# Altium PCB PROC054D_MMWCAS_RF_EVM.PcbDoc (part 2 of 14)
Units mil, origin at the board's own origin, x right, y up, seen from the top; angles counter-clockwise.
Board outline 6299.21 x 5370.07 mil, 8 copper layers (L1 TOP, L2 GND, L3 SIGNAL 1, L4 GND, L5 SIGNAL 2, L6 SIGNAL 3, L7 GND, L8 BOTTOM), stack 53.5 mil thick; 775 components, 552 nets, 2648 pads, 7845 vias.
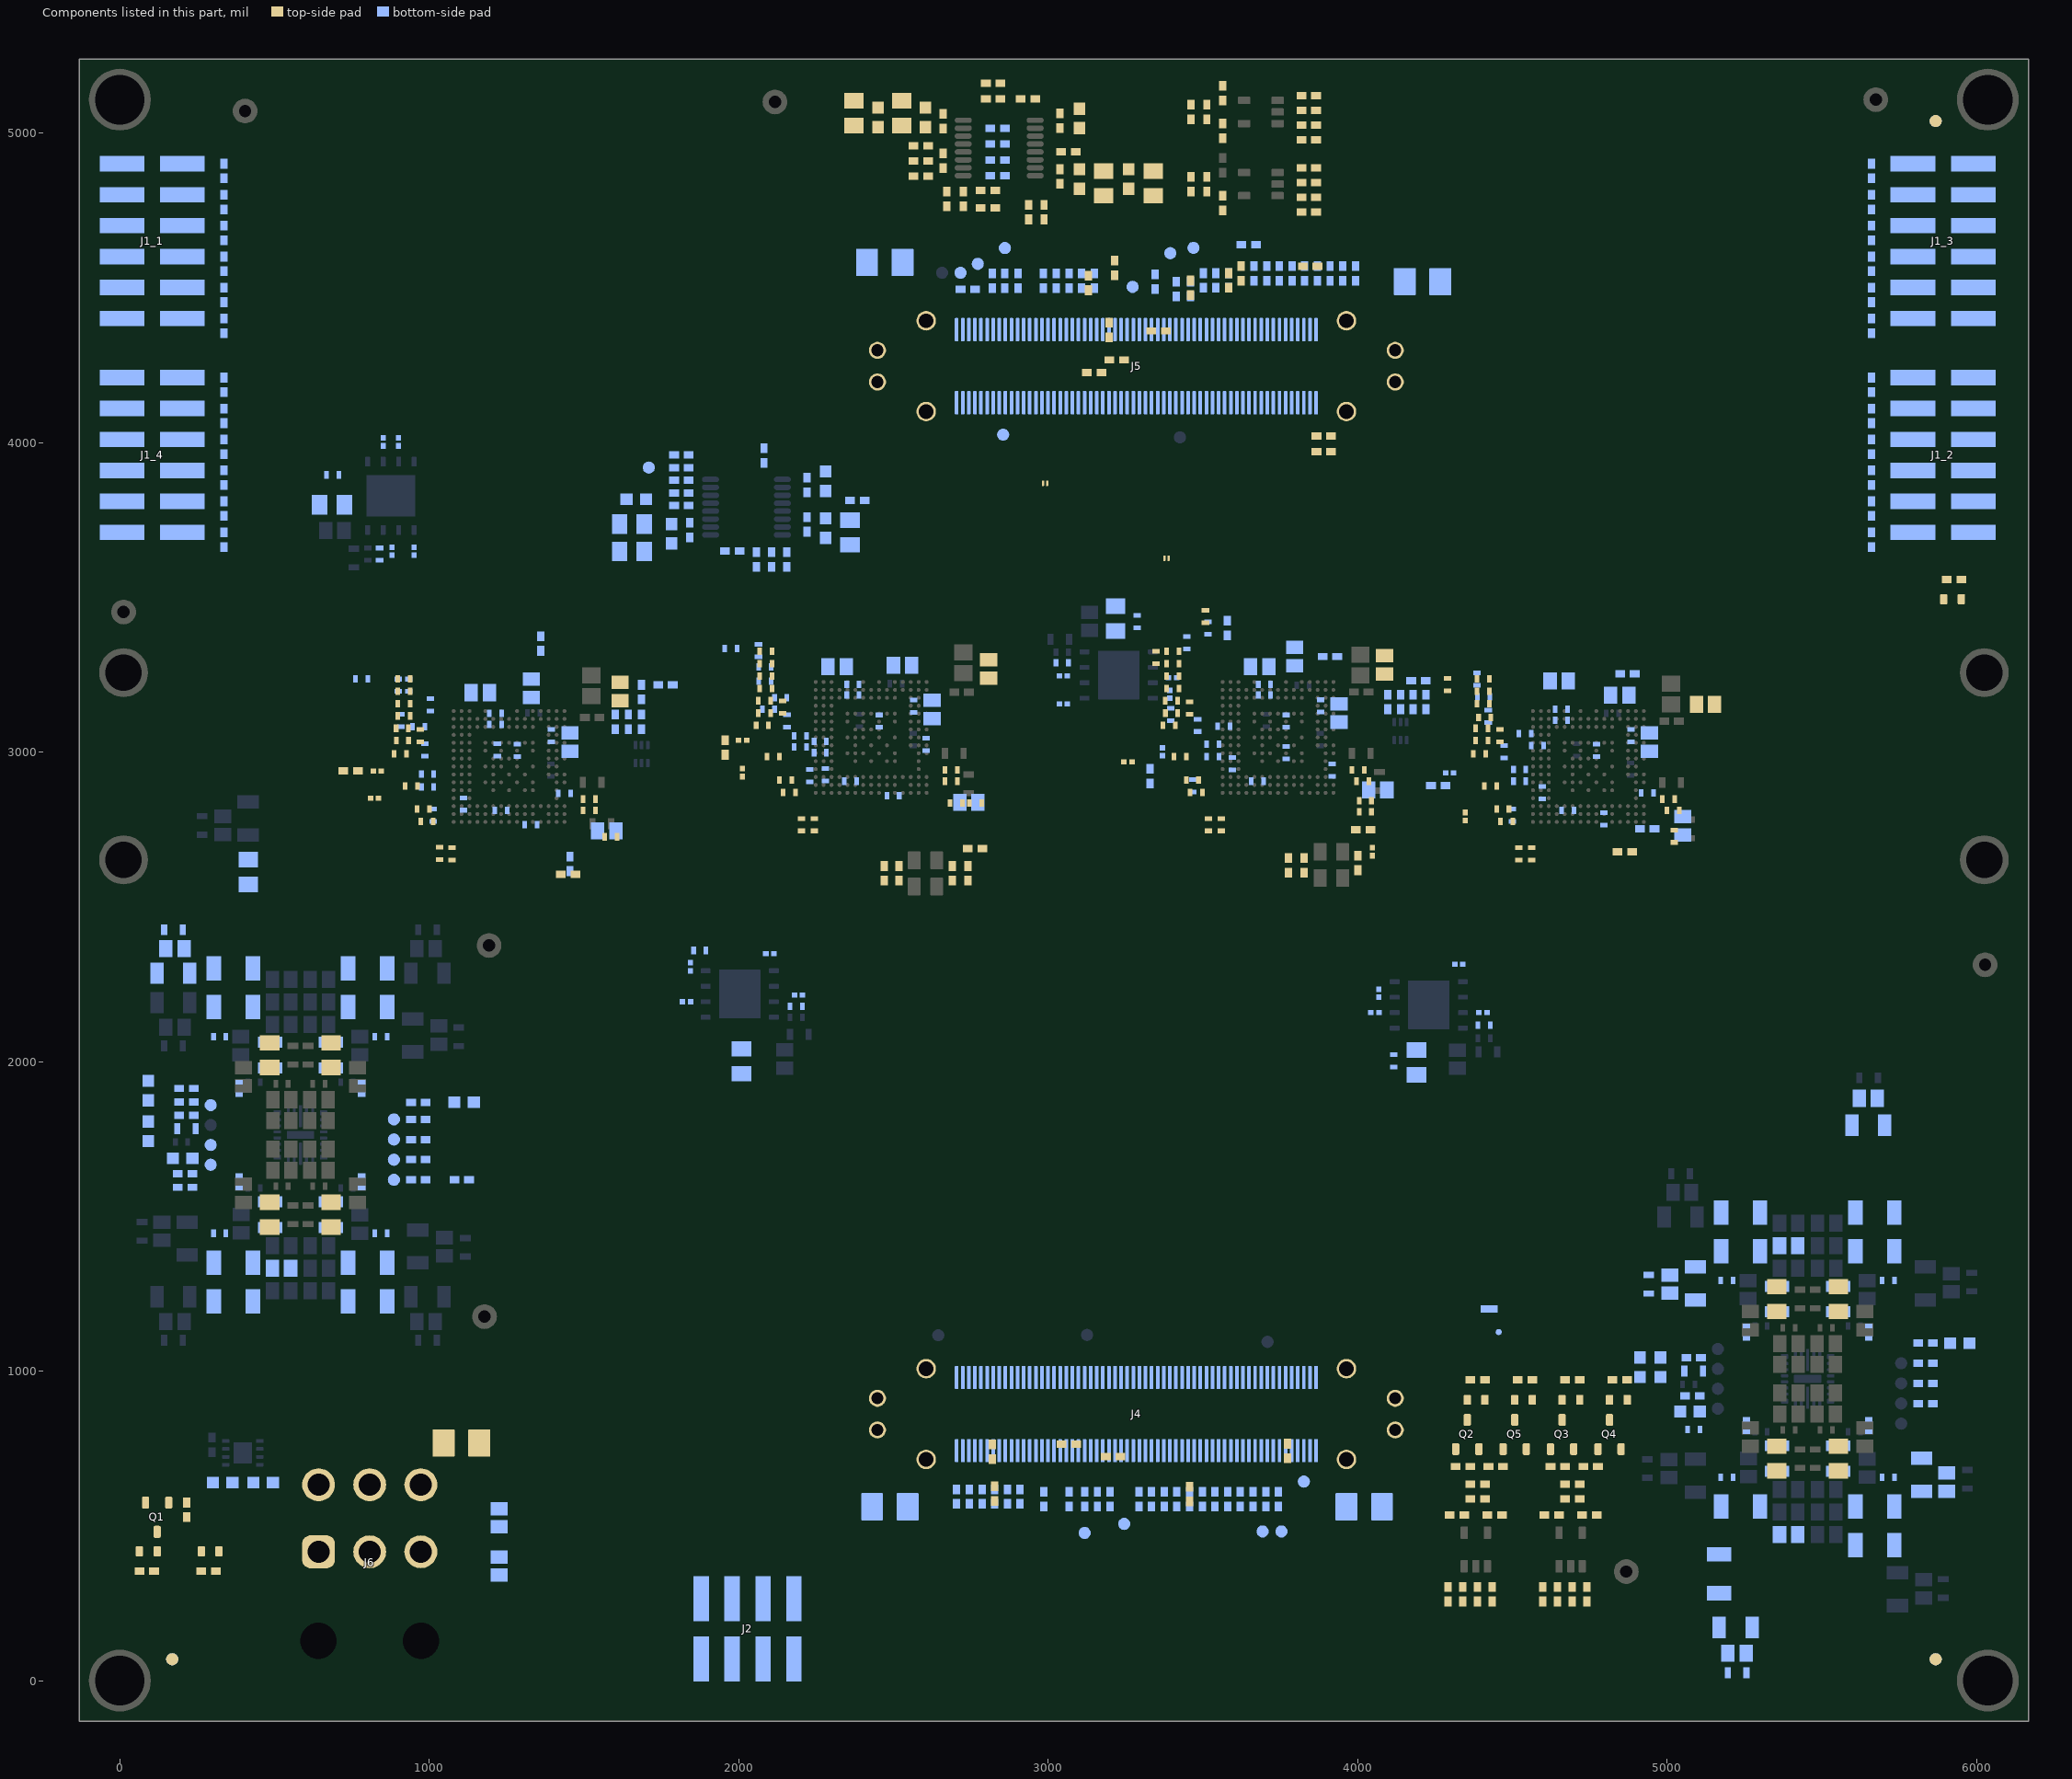
[diagram p8: the components of this part, seen from the top]

## Components (designator, comment, footprint, x,y, rotation, side; value= is the part's Value field where it differs from the comment) (continued)
C129_4 "GCM155R71C224KE02D" 0402S 1219.89,3007.69 r270 bottom locked value=0.22uF (schematic designator C129)
C130_1 "GCM21BR71A106KE22L" 0805L 2529.43,3280.8 r0 bottom locked value=10uF (schematic designator C130)
C130_2 "GCM21BR71A106KE22L" 0805L 4847.43,3183.8 r0 bottom locked value=10uF (schematic designator C130)
C130_3 "GCM21BR71A106KE22L" 0805L 3796.42,3308.91 r90 bottom locked value=10uF (schematic designator C130)
C130_4 "GCM21BR71A106KE22L" 0805L 1329.9,3206.33 r90 bottom locked value=10uF (schematic designator C130)
C131_1 "GCM155R71C224KE02D" 0402S 2686.84,2942.02 r0 top locked value=0.22uF (schematic designator C131)
C131_2 "GCM155R71C224KE02D" 0402S 5004.84,2848.02 r0 top locked value=0.22uF (schematic designator C131)
C131_3 "GCM155R71C224KE02D" 0402S 4016.84,2906.06 r0 top locked value=0.22uF (schematic designator C131)
C131_4 "GCM155R71C224KE02D" 0402S 1516.84,2848.02 r0 top locked value=0.22uF (schematic designator C131)
C132_1 "GCM155R71C224KE02D" 0402S 2686.84,2906.06 r0 top locked value=0.22uF (schematic designator C132)
C132_2 "GCM155R71C224KE02D" 0402S 5019.84,2812.06 r0 top locked value=0.22uF (schematic designator C132)
C132_3 "GCM155R71C224KE02D" 0402S 4001.84,2942.02 r0 top locked value=0.22uF (schematic designator C132)
C132_4 "GCM155R71C224KE02D" 0402S 1516.84,2812.06 r0 top locked value=0.22uF (schematic designator C132)
C133_1 "GCM21BR71A106KE22L" 0805L 2743.75,2837.89 r0 bottom locked value=10uF (schematic designator C133)
C133_2 "GCM21BR71A106KE22L" 0805L 5050.19,2762.16 r270 bottom locked value=10uF (schematic designator C133)
C133_3 "GCM21BR71A106KE22L" 0805L 4065.03,2878.26 r0 bottom locked value=10uF (schematic designator C133)
C133_4 "GCM21BR71A106KE22L" 0805L 1573.1,2745.99 r0 bottom locked value=10uF (schematic designator C133)
C134_1 "GCM155R71C224KE02D" 0402S 2605.98,3025.49 r90 bottom locked value=0.22uF (schematic designator C134)
C134_2 "GCM155R71C224KE02D" 0402S 4936.09,2868 r0 bottom locked value=0.22uF (schematic designator C134)
C134_3 "GCM155R71C224KE02D" 0402S 3918.09,2942 r270 bottom locked value=0.22uF (schematic designator C134)
C134_4 "GCM155R71C224KE02D" 0402S 1437.23,2867 r0 bottom locked value=0.22uF (schematic designator C134)
C135_1 "GCM155R71C224KE02D" 0402S 2361.3,2906 r180 bottom locked value=0.22uF (schematic designator C135)
C135_2 "GCM155R71C224KE02D" 0402S 4679.3,2812 r180 bottom locked value=0.22uF (schematic designator C135)
C135_3 "GCM155R71C224KE02D" 0402S 3676.3,2906 r180 bottom locked value=0.22uF (schematic designator C135)
C135_4 "GCM155R71C224KE02D" 0402S 1231.3,2812 r0 bottom locked value=0.22uF (schematic designator C135)
C136_1 "GCM155R71C224KE02D" 0402S 2454.38,3100.07 r270 bottom locked value=0.22uF (schematic designator C136)
C136_2 "GCM155R71C224KE02D" 0402S 4772.38,3006.07 r270 bottom locked value=0.22uF (schematic designator C136)
C136_3 "GCM155R71C224KE02D" 0402S 3769.38,3100.07 r270 bottom locked value=0.22uF (schematic designator C136)
C136_4 "GCM155R71C224KE02D" 0402S 1284.38,3006.07 r270 bottom locked value=0.22uF (schematic designator C136)
C137_1 "GCM155R71C224KE02D" 0402S 2369.09,3184.18 r180 bottom locked value=0.22uF (schematic designator C137)
C137_2 "GCM155R71C224KE02D" 0402S 4659,3103.53 r180 bottom locked value=0.22uF (schematic designator C137)
C137_3 "GCM155R71C224KE02D" 0402S 3699.09,3218.8 r180 bottom locked value=0.22uF (schematic designator C137)
C137_4 "GCM155R71C224KE02D" 0402S 1214.09,3090.18 r180 bottom locked value=0.22uF (schematic designator C137)
C138_1 "GCM155R71C224KE02D" 0402S 2369.09,3218.8 r180 bottom locked value=0.22uF (schematic designator C138)
C138_2 "GCM155R71C224KE02D" 0402S 4659,3138.15 r180 bottom locked value=0.22uF (schematic designator C138)
C138_3 "GCM155R71C224KE02D" 0402S 3699.09,3184.18 r180 bottom locked value=0.22uF (schematic designator C138)
C138_4 "GCM155R71C224KE02D" 0402S 1214.09,3124.8 r180 bottom locked value=0.22uF (schematic designator C138)
C139_1 "GCM21BR71A106KE22L" 0805L 2318.38,3275.59 r180 bottom locked value=10uF (schematic designator C139)
C139_2 "GCM21BR71A106KE22L" 0805L 4651.52,3229.77 r180 bottom locked value=10uF (schematic designator C139)
C139_3 "GCM21BR71A106KE22L" 0805L 3683.72,3276.04 r180 bottom locked value=10uF (schematic designator C139)
C139_4 "GCM21BR71A106KE22L" 0805L 1164.56,3192.04 r180 bottom locked value=10uF (schematic designator C139)
C140_1 "GCM155R71C224KE02D" 0402S 2564.98,3147.69 r270 bottom locked value=0.22uF (schematic designator C140)
C140_2 "GCM155R71C224KE02D" 0402S 4882.98,3053.69 r270 bottom locked value=0.22uF (schematic designator C140)
C140_3 "GCM155R71C224KE02D" 0402S 3879.98,3149.11 r270 bottom locked value=0.22uF (schematic designator C140)
C140_4 "GCM155R71C224KE02D" 0402S 1394.98,3053.69 r270 bottom locked value=0.22uF (schematic designator C140)
C141_1 "GCM21BR71A106KE22L" 0805L 2624.84,3138.16 r270 bottom locked value=10uF (schematic designator C141)
C141_2 "GCM21BR71A106KE22L" 0805L 4942.98,3032.5 r270 bottom locked value=10uF (schematic designator C141)
C141_3 "GCM21BR71A106KE22L" 0805L 3939.98,3126.5 r270 bottom locked value=10uF (schematic designator C141)
C141_4 "GCM21BR71A106KE22L" 0805L 1454.98,3032.5 r270 bottom locked value=10uF (schematic designator C141)
C142_1 "GCM155R71C224KE02D" 0402S 2141.49,3145.71 r90 top locked value=0.22uF (schematic designator C142)
C142_2 "GCM155R71C224KE02D" 0402S 4562,2671.58 r270 top locked value=0.22uF (schematic designator C142)
C142_3 "GCM155R71C224KE02D" 0402S 3457.49,3142.71 r90 top locked value=0.22uF (schematic designator C142)
C142_4 "GCM155R71C224KE02D" 0402S 971.49,3053.71 r90 top locked value=0.22uF (schematic designator C142)
C143_1 "GCM155R71C224KE02D" 0402S 2244,2765.58 r270 top locked value=0.22uF (schematic designator C143)
C143_2 "GCM155R71C224KE02D" 0402S 4459.99,3053.71 r90 top locked value=0.22uF (schematic designator C143)
C143_3 "GCM155R71C224KE02D" 0402S 3559,2765.58 r270 top locked value=0.22uF (schematic designator C143)
C143_4 "GCM155R71C224KE02D" 0402S 1074,2671.58 r270 top locked value=0.22uF (schematic designator C143)
C144_1 "GCM155R71C224KE02D" 0402S 2498.51,2859.53 r0 bottom locked value=0.22uF (schematic designator C144)
C144_2 "GCM155R71C224KE02D" 0402S 4596.3,2868.9 r270 bottom locked value=0.22uF (schematic designator C144)
C144_3 "GCM155R71C224KE02D" 0402S 3769.06,2998.27 r90 bottom locked value=0.22uF (schematic designator C144)
C144_4 "GCM155R71C224KE02D" 0402S 1110.64,2832.35 r270 bottom locked value=0.22uF (schematic designator C144)
C145_1 "GCM155R71C224KE02D" 0402S 2280.64,2926.35 r270 bottom locked value=0.22uF (schematic designator C145)
C145_2 "GCM155R71C224KE02D" 0402S 4796.51,2783.84 r270 bottom locked value=0.22uF (schematic designator C145)
C145_3 "GCM155R71C224KE02D" 0402S 3595.75,2962.9 r270 bottom locked value=0.22uF (schematic designator C145)
C145_4 "GCM155R71C224KE02D" 0402S 1328.51,2765.53 r0 bottom locked value=0.22uF (schematic designator C145)
C146_1 "GCM155R71C104KA55D" 0402S 2163.58,2870 r180 top locked value=0.1uF (schematic designator C146)
C146_2 "GCM155R71C104KA55D" 0402S 4481.58,2776 r180 top locked value=0.1uF (schematic designator C146)
C146_3 "GCM155R71C104KA55D" 0402S 3478.58,2870 r180 top locked value=0.1uF (schematic designator C146)
C146_4 "GCM155R71C104KA55D" 0402S 992.8,2776 r180 top locked value=0.1uF (schematic designator C146)
C147_1 "GCM155R71C104KA55D" 0402S 2203,2765.58 r270 top locked value=0.1uF (schematic designator C147)
C147_2 "GCM155R71C104KA55D" 0402S 4521,2671.58 r270 top locked value=0.1uF (schematic designator C147)
C147_3 "GCM155R71C104KA55D" 0402S 3518,2765.58 r270 top locked value=0.1uF (schematic designator C147)
C147_4 "GCM155R71C104KA55D" 0402S 1033,2673 r270 top locked value=0.1uF (schematic designator C147)
C148_1 "GCM155R71C224KE02D" 0402S 2229,2924.28 r270 bottom locked value=0.22uF (schematic designator C148)
C148_2 "GCM155R71C224KE02D" 0402S 4500,2795.58 r270 bottom locked value=0.22uF (schematic designator C148)
C148_3 "GCM155R71C224KE02D" 0402S 3466.95,2891 r270 bottom locked value=0.22uF (schematic designator C148)
C148_4 "GCM155R71C224KE02D" 0402S 1012,2795.58 r270 bottom locked value=0.22uF (schematic designator C148)
C149 "CGA2B3X7R1H104K050BB" 0402 3564.27,5129.3 r90 top locked value=0.1uF
C150 "GCM31CR71A226KE02" 1206_180L 173.03,2285.84 r180 bottom locked value=22uF
C151 "GCM21BR71A106KE22L" 0805L 178.04,2365.78 r180 bottom locked value=10uF
C152 "GCM188R71C105KA64J" 0603S 173.04,2425.94 r180 bottom locked value=1uF
C153 "GCM21BR71A106KE22L" 0805L 5393.06,471.95 r0 bottom locked value=10uF
C154 "GCM31CR71A226KE02" 1206_180L 5221.38,171.94 r0 bottom locked value=22uF
C155 "GCM21BR71A106KE22L" 0805L 5226.35,89.14 r0 bottom locked value=10uF
C156 "GCM188R71C105KA64J" 0603S 5226.35,25.17 r0 bottom locked value=1uF
C157 "GCM21BR71A106KE22L" 0805L 5393.06,1405.27 r0 bottom locked value=10uF
C158 "GCM31CR71A226KE02" 1206_180L 5091.39,1283.32 r270 bottom locked value=22uF
C159 "GCM21BR71A106KE22L" 0805L 5009.39,1281.05 r270 bottom locked value=10uF
C160 "GCM188R71C105KA64J" 0603S 4940.6,1280.76 r270 bottom locked value=1uF
C161 "GCM21BR71A106KE22L" 0805L 522.33,1332.8 r0 bottom locked value=10uF
C162 "GCM155R71C104KA55D" 0402 4320.97,535.63 r180 top locked value=0.1uF
C163 "GCM155R71C104KA55D" 0402 4627.42,535.63 r180 top locked value=0.1uF
C164 "GCM155R71C104KA55D" 0402 3564.27,4774.2 r270 top locked value=0.1uF
C165 "GCM155R71C104KA55D" 0402 3564.27,5007.25 r270 top locked value=0.1uF
C166 "GCM31CR71A226KE02" 1206_180L 5822.48,664.93 r90 bottom locked value=22uF
C167 "GJM1555C1H4R7BB01D" 0402 2690.4,2608.27 r90 top locked value=4.7pF
C168 "GJM1555C1H4R7BB01D" 0402 2518.3,2608.27 r90 top locked value=4.7pF
C169 "GCM21BR71A106KE22L" 0805_HV 2372.39,5064.49 r270 top locked value=10uF
C170 "GCM155R71C224KE02D" 0402 2660.57,5038.49 r90 top locked value=0.22uF
C171 "GCM188R70J225KE22D" 0603 2603.2,5050.47 r270 top locked value=2.2uF
C172 "GCM21BR71A106KE22L" 0805_HV 2526.41,5064.49 r90 top locked value=10uF
C173 "GJM1555C1H4R7BB01D" 0402 4001.11,2642 r90 top locked value=4.7pF
C174 "GJM1555C1H4R7BB01D" 0402 3826.93,2634.28 r270 top locked value=4.7pF
C175 "GCM21BR71A106KE22L" 0805_HV 3339.25,4837.72 r90 top locked value=10uF
C176 "GCM21BR71A106KE22L" 0805_HV 3178.88,4837.72 r270 top locked value=10uF
C177 "GCM155R71C224KE02D" 0402 3038.3,4859.61 r270 top locked value=0.22uF
C178 "GCM188R70J225KE22D" 0603 3100.57,5047.4 r270 top locked value=2.2uF
C179 "GCM155R71C224KE02D" 0402 3038.3,5039.53 r90 top locked value=0.22uF
C180 "GCM188R70J225KE22D" 0603 3100.57,4851.73 r90 top locked value=2.2uF
C181 "GCM21BR71A106KE22L" 0805_HV 1655.02,3648.2 r180 bottom locked value=10uF
C182 "GCM155R71C224KE02D" 0402 1841.77,3717.5 r270 bottom locked value=0.22uF
C183 "GCM188R70J225KE22D" 0603 1783.09,3705.52 r90 bottom locked value=2.2uF
C184 "GCM21BR71A106KE22L" 0805_HV 1655.02,3737.01 r180 bottom locked value=10uF
C185 "GCM21BR71A106KE22L" 0805_HV 2359.46,3709.7 r90 bottom locked value=10uF
C186 "GCM155R71C224KE02D" 0402 2220.98,3735.85 r90 bottom locked value=0.22uF
C187 "GCM188R70J225KE22D" 0603 2280.22,3723.87 r270 bottom locked value=2.2uF
C188 "GCM155R71C224KE02D" 0402 2220.98,3863.05 r90 bottom locked value=0.22uF
C189 "GCM188R70J225KE22D" 0603 2280.22,3875.03 r270 bottom locked value=2.2uF
C190 "T491B476K010AT" 3528-21 4021.54,561.82 r0 bottom locked value=47uF
C191 "T491B476K010AT" 3528-21 2488.3,561.82 r180 bottom locked value=47uF
C192 "T491B476K010AT" 3528-21 2472.09,4582.18 r180 bottom value=47uF
C193 "T491B476K010AT" 3528-21 4209.7,4520.2 r0 bottom value=47uF
C194 "T491B476K010AT" 3528-21 1103.88,767.73 r0 top locked value=47uF
C195 "C0402C103K4RACTU" 0402 1686.31,3097.83 r90 bottom locked value=0.01uF
C196 "CGA2B3X7R1H104K050BB" 0402 1643.31,3097.84 r90 bottom locked value=0.1uF
C197 "CGA2B3X7R1H104K050BB" 0402 1762.95,3217.44 r0 bottom locked value=0.1uF
C198 "CGA2B3X7R1H104K050BB" 0402 4196.84,3230.71 r180 bottom locked value=0.1uF
C199 "C0402C103K4RACTU" 0402 4138.47,3162.21 r90 bottom locked value=0.01uF
C200 "CGA2B3X7R1H104K050BB" 0402 4179.47,3162.21 r90 bottom locked value=0.1uF
C201 "GCM21BR71A106KE22L" 0805L 5904.25,641.77 r90 bottom locked value=10uF
C202 "GCM188R71C105KA64J" 0603 463.3,640.08 r180 bottom locked value=1uF
C203 "GCM188R71C105KA64J" 0603 332.14,640.15 r0 bottom locked value=1uF
C204 "GCM31CR71A226KE02" 1206_180L 5650.52,1794.57 r180 bottom locked value=22uF
C205 "CGA2B3X7R1H104K050BB" 0402 4443.02,535.63 r0 top locked value=0.1uF
C206 "CGA2B3X7R1H104K050BB" 0402 4749.46,535.63 r0 top locked value=0.1uF
C207 "GCM21BR71A106KE22L" 0805L 5650.43,1881.43 r180 bottom locked value=10uF
DS1 "TLMS1000-GS08" TLMx1000_Red 291.9,417.61 r0 top locked value=Red
DS2 "TLMS1000-GS08" TLMx1000_Red 5922.6,3493.76 r180 top locked value=Red
DS3 "TLMY1000-GS08" TLMx1000_Yellow 91.9,417.61 r0 top locked value=Yellow
DS4 "TLMY1000-GS08" TLMx1000_Yellow 4382.93,906.78 r180 top locked value=Yellow
DS5 "TLMY1000-GS08" TLMx1000_Yellow 4689.38,906.78 r180 top locked value=Yellow
DS6 "TLMY1000-GS08" TLMx1000_Yellow 4842.6,906.78 r180 top locked value=Yellow
DS7 "TLMY1000-GS08" TLMx1000_Yellow 4536.15,906.78 r180 top locked value=Yellow
FID1 "Fiducial" Fiducial10-20 5868,5039 r90 top locked
FID2 "Fiducial" Fiducial10-20 169,69 r90 top locked
FID3 "Fiducial" Fiducial10-20 5868,69 r90 top locked
FID4 "Fiducial" Fiducial10-20 169,69 r90 bottom locked
FID5 "Fiducial" Fiducial10-20 5868,69 r90 bottom locked
FID6 "Fiducial" Fiducial10-20 5868,5039 r90 bottom locked
J1_1 "TSM-106-01-L-DV" Samtec_TSM-106-01-x-DV 104.76,4650.95 r180 bottom locked (schematic designator J1)
J1_2 "TSM-106-01-L-DV" Samtec_TSM-106-01-x-DV 5892.24,3960.13 r0 bottom locked (schematic designator J1)
J1_3 "TSM-106-01-L-DV" Samtec_TSM-106-01-x-DV 5892.24,4650.95 r0 bottom locked (schematic designator J1)
J1_4 "TSM-106-01-L-DV" Samtec_TSM-106-01-x-DV 104.76,3960.13 r180 bottom locked (schematic designator J1)
J2 "TSM-104-01-L-DV" Samtec_TSM-104-01-x-DV 2028.45,167.06 r270 bottom locked
J3 "19S101-40ML5" 19S101_40ML5 4534.87,1201.17 r90 bottom locked
J4 "FX23-120P-0.5SV15" Hirose_FX23-120P-0_5SV15 3284.92,861.13 r270 bottom locked
J5 "FX23-120P-0.5SV15" Hirose_FX23-120P-0_5SV15 3284.92,4246.95 r270 bottom locked
J6 "0039300060" Molex_0039300060 807.36,128.84 r270 bottom locked
L1 "NLCV32T-R10M-EFRD" NLCV32 366.61,1225.32 r180 bottom locked value=100nH
L2 "NLCV32T-R10M-EFRD" NLCV32 366.61,2175.82 r180 bottom locked value=100nH
L3 "NLCV32T-R10M-EFRD" NLCV32 366.61,1350.1 r180 bottom locked value=100nH
L4 "NLCV32T-R10M-EFRD" NLCV32 800.47,1350.1 r0 bottom locked value=100nH
L5 "NLCV32T-R10M-EFRD" NLCV32 800.47,1225.32 r0 bottom locked value=100nH
L6 "NLCV32T-R10M-EFRD" NLCV32 366.61,2300.61 r180 bottom locked value=100nH
L7 "NLCV32T-R10M-EFRD" NLCV32 800.47,2300.61 r0 bottom locked value=100nH
L8 "NLCV32T-R10M-EFRD" NLCV32 800.47,2175.82 r0 bottom locked value=100nH
L9 "BLM21PG300SH1D" 0805_HV 682.81,1505.28 r90 top locked value="30 ohm"
L10 "BLM21PG300SH1D" 0805_HV 484.26,1505.28 r90 top locked value="30 ohm"
L11 "BLM21PG300SH1D" 0805_HV 682.81,2020.65 r270 top locked value="30 ohm"
L12 "BLM21PG300SH1D" 0805_HV 484.26,2020.65 r270 top locked value="30 ohm"
L13 "DFE252012PD-R47M" DFE252012P 681.93,1505.16 r270 bottom locked value=470nH
L14 "DFE252012PD-R47M" DFE252012P 485.15,1505.16 r270 bottom locked value=470nH
L15 "DFE252012PD-R47M" DFE252012P 681.93,2020.76 r90 bottom locked value=470nH
L16 "DFE252012PD-R47M" DFE252012P 485.15,2020.76 r90 bottom locked value=470nH
L17 "NLCV32T-R10M-EFRD" NLCV32 5237.33,562.25 r180 bottom locked value=100nH
L18 "NLCV32T-R10M-EFRD" NLCV32 5237.33,1512.75 r180 bottom locked value=100nH
L19 "NLCV32T-R10M-EFRD" NLCV32 5168.15,344.97 r270 bottom locked value=100nH
L20 "NLCV32T-R10M-EFRD" NLCV32 5671.19,437.46 r0 bottom locked value=100nH
L21 "NLCV32T-R10M-EFRD" NLCV32 5671.19,562.25 r0 bottom locked value=100nH
L22 "NLCV32T-R10M-EFRD" NLCV32 5237.33,1387.96 r180 bottom locked value=100nH
L23 "NLCV32T-R10M-EFRD" NLCV32 5671.19,1387.96 r0 bottom locked value=100nH
L24 "NLCV32T-R10M-EFRD" NLCV32 5671.19,1512.75 r0 bottom locked value=100nH
L25 "BLM21PG300SH1D" 0805_HV 5553.54,717.42 r90 top locked value="30 ohm"
L26 "BLM21PG300SH1D" 0805_HV 5354.99,717.42 r90 top locked value="30 ohm"
L27 "BLM21PG300SH1D" 0805_HV 5553.54,1232.79 r270 top locked value="30 ohm"
L28 "BLM21PG300SH1D" 0805_HV 5354.99,1232.79 r270 top locked value="30 ohm"
L29 "DFE252012PD-R47M" DFE252012P 5552.65,717.3 r270 bottom locked value=470nH
L30 "DFE252012PD-R47M" DFE252012P 5355.87,717.3 r270 bottom locked value=470nH
L31 "DFE252012PD-R47M" DFE252012P 5552.65,1232.91 r90 bottom locked value=470nH
L32 "DFE252012PD-R47M" DFE252012P 5355.87,1232.91 r90 bottom locked value=470nH
L33 "BLM18SG121TN1D" 0603 2450.31,5050.47 r270 top locked value="120 ohm"
L34 "BLM18SG121TN1D" 0603 3260.01,4851.73 r90 top locked value="120 ohm"
L35 "BLM18SG121TN1D" 0603 1669.04,3816.87 r0 bottom locked value="120 ohm"
Logo1 "CE MAWRk" CE_Mark_5mm 5859.14,4655.58 r0 top locked
Logo2 "Texas Instruments" TI_Stacked_Overlay_Small 3704.87,99.62 r0 top locked
Logo3 "FCC disclaimer" FCC_disclaimer 4988.06,6271.78 r0 top locked
Logo4 "WEEE logo" WEEE_Minimum 5859.14,4323.69 r0 top locked
Logo5 "ESD Susceptible" ESD_Overlay_Large 1902.61,792.81 r0 top locked
LOGO6 "CAUTION HOT SURFACE" IEC_HotSurface_Large 5623.06,1848.13 r0 top locked
Q1 "BSS123" SOT-23 120.44,527.89 r270 top locked value=100V
Q2 "BSS123" SOT-23 4354.39,795.2 r90 top locked value=100V
Q3 "BSS123" SOT-23 4660.83,795.2 r90 top locked value=100V
Q4 "BSS123" SOT-23 4814.06,795.2 r90 top locked value=100V
Q5 "BSS123" SOT-23 4507.61,795.2 r90 top locked value=100V
R1_1 "CRCW040233R2FKED" 0402S 2111.9,2985 r0 top locked value=33.2 (schematic designator R1)
R1_2 "CRCW040233R2FKED" 0402S 4429.9,2891 r0 top locked value=33.2 (schematic designator R1)
R1_3 "CRCW040233R2FKED" 0402S 3426.9,2985 r0 top locked value=33.2 (schematic designator R1)
R1_4 "CRCW040233R2FKED" 0402S 941.9,2891 r0 top locked value=33.2 (schematic designator R1)
R2_1 "CRCW040233R2FKED" 0402S 2702.88,2834.89 r180 top locked value=33.2 (schematic designator R2)
R2_2 "CRCW040233R2FKED" 0402S 5022.77,2728.4 r90 top locked value=33.2 (schematic designator R2)
R2_3 "CRCW040233R2FKED" 0402S 4024.71,2842.4 r180 top locked value=33.2 (schematic designator R2)
R2_4 "CRCW040233R2FKED" 0402S 1587.14,2726.23 r180 top locked value=33.2 (schematic designator R2)
R3_1 "CRCW040247K5FKED" 0402 1955.47,3015.03 r270 top locked value=47.5k (schematic designator R3)
R3_2 "CRCW040247K5FKED" 0402 4260.87,2891.34 r180 bottom locked value=47.5k (schematic designator R3)
R3_3 "CRCW040247K5FKED" 0402 3328.84,2922.71 r270 bottom locked value=47.5k (schematic designator R3)
R3_4 "CRCW040247K5FKED" 0402 745.96,2938.96 r180 top locked value=47.5k (schematic designator R3)
R4_1 "CRCW040233R2FKED" 0402S 2151,2910 r0 top locked value=33.2 (schematic designator R4)
R4_2 "CRCW040233R2FKED" 0402S 4469,2816 r0 top locked value=33.2 (schematic designator R4)
R4_3 "CRCW040233R2FKED" 0402S 3466,2910 r0 top locked value=33.2 (schematic designator R4)
R4_4 "CRCW040233R2FKED" 0402S 981,2816 r0 top locked value=33.2 (schematic designator R4)
R5_1 "CRCW040233R2FKED" 0402S 2263.7,3034.15 r0 bottom locked value=33.2 (schematic designator R5)
R5_2 "CRCW040233R2FKED" 0402S 4523.9,2943.53 r0 bottom locked value=33.2 (schematic designator R5)
R5_3 "CRCW040233R2FKED" 0402S 3531.46,3026.2 r0 bottom locked value=33.2 (schematic designator R5)
R5_4 "CRCW040233R2FKED" 0402S 994.55,2928.78 r0 bottom locked value=33.2 (schematic designator R5)
R6_1 "CRCW02010000Z0ED" 0201 2012.51,3038.66 r180 top locked value=0 (schematic designator R6)
R6_2 "CRCW02010000Z0ED" 0201 4297.49,2932.79 r180 bottom locked value=0 (schematic designator R6)
R6_3 "CRCW02010000Z0ED" 0201 3369.29,3001.01 r270 bottom locked value=0 (schematic designator R6)